# Altium PCB foxbms2-master.PcbDoc (part 7 of 11)
Units mm, origin at the board's own origin, x right, y up, seen from the top; angles counter-clockwise.
Board outline 200.02 x 144.34 mm, 8 copper layers (Top, Int1 (Sig), Int2 (Gnd), Int3 (Sig), Int4 (Sig), Int5 (Pwr), Int6 (Sig), Bottom), stack 1.636 mm thick; 806 components, 624 nets, 2842 pads, 2610 vias.
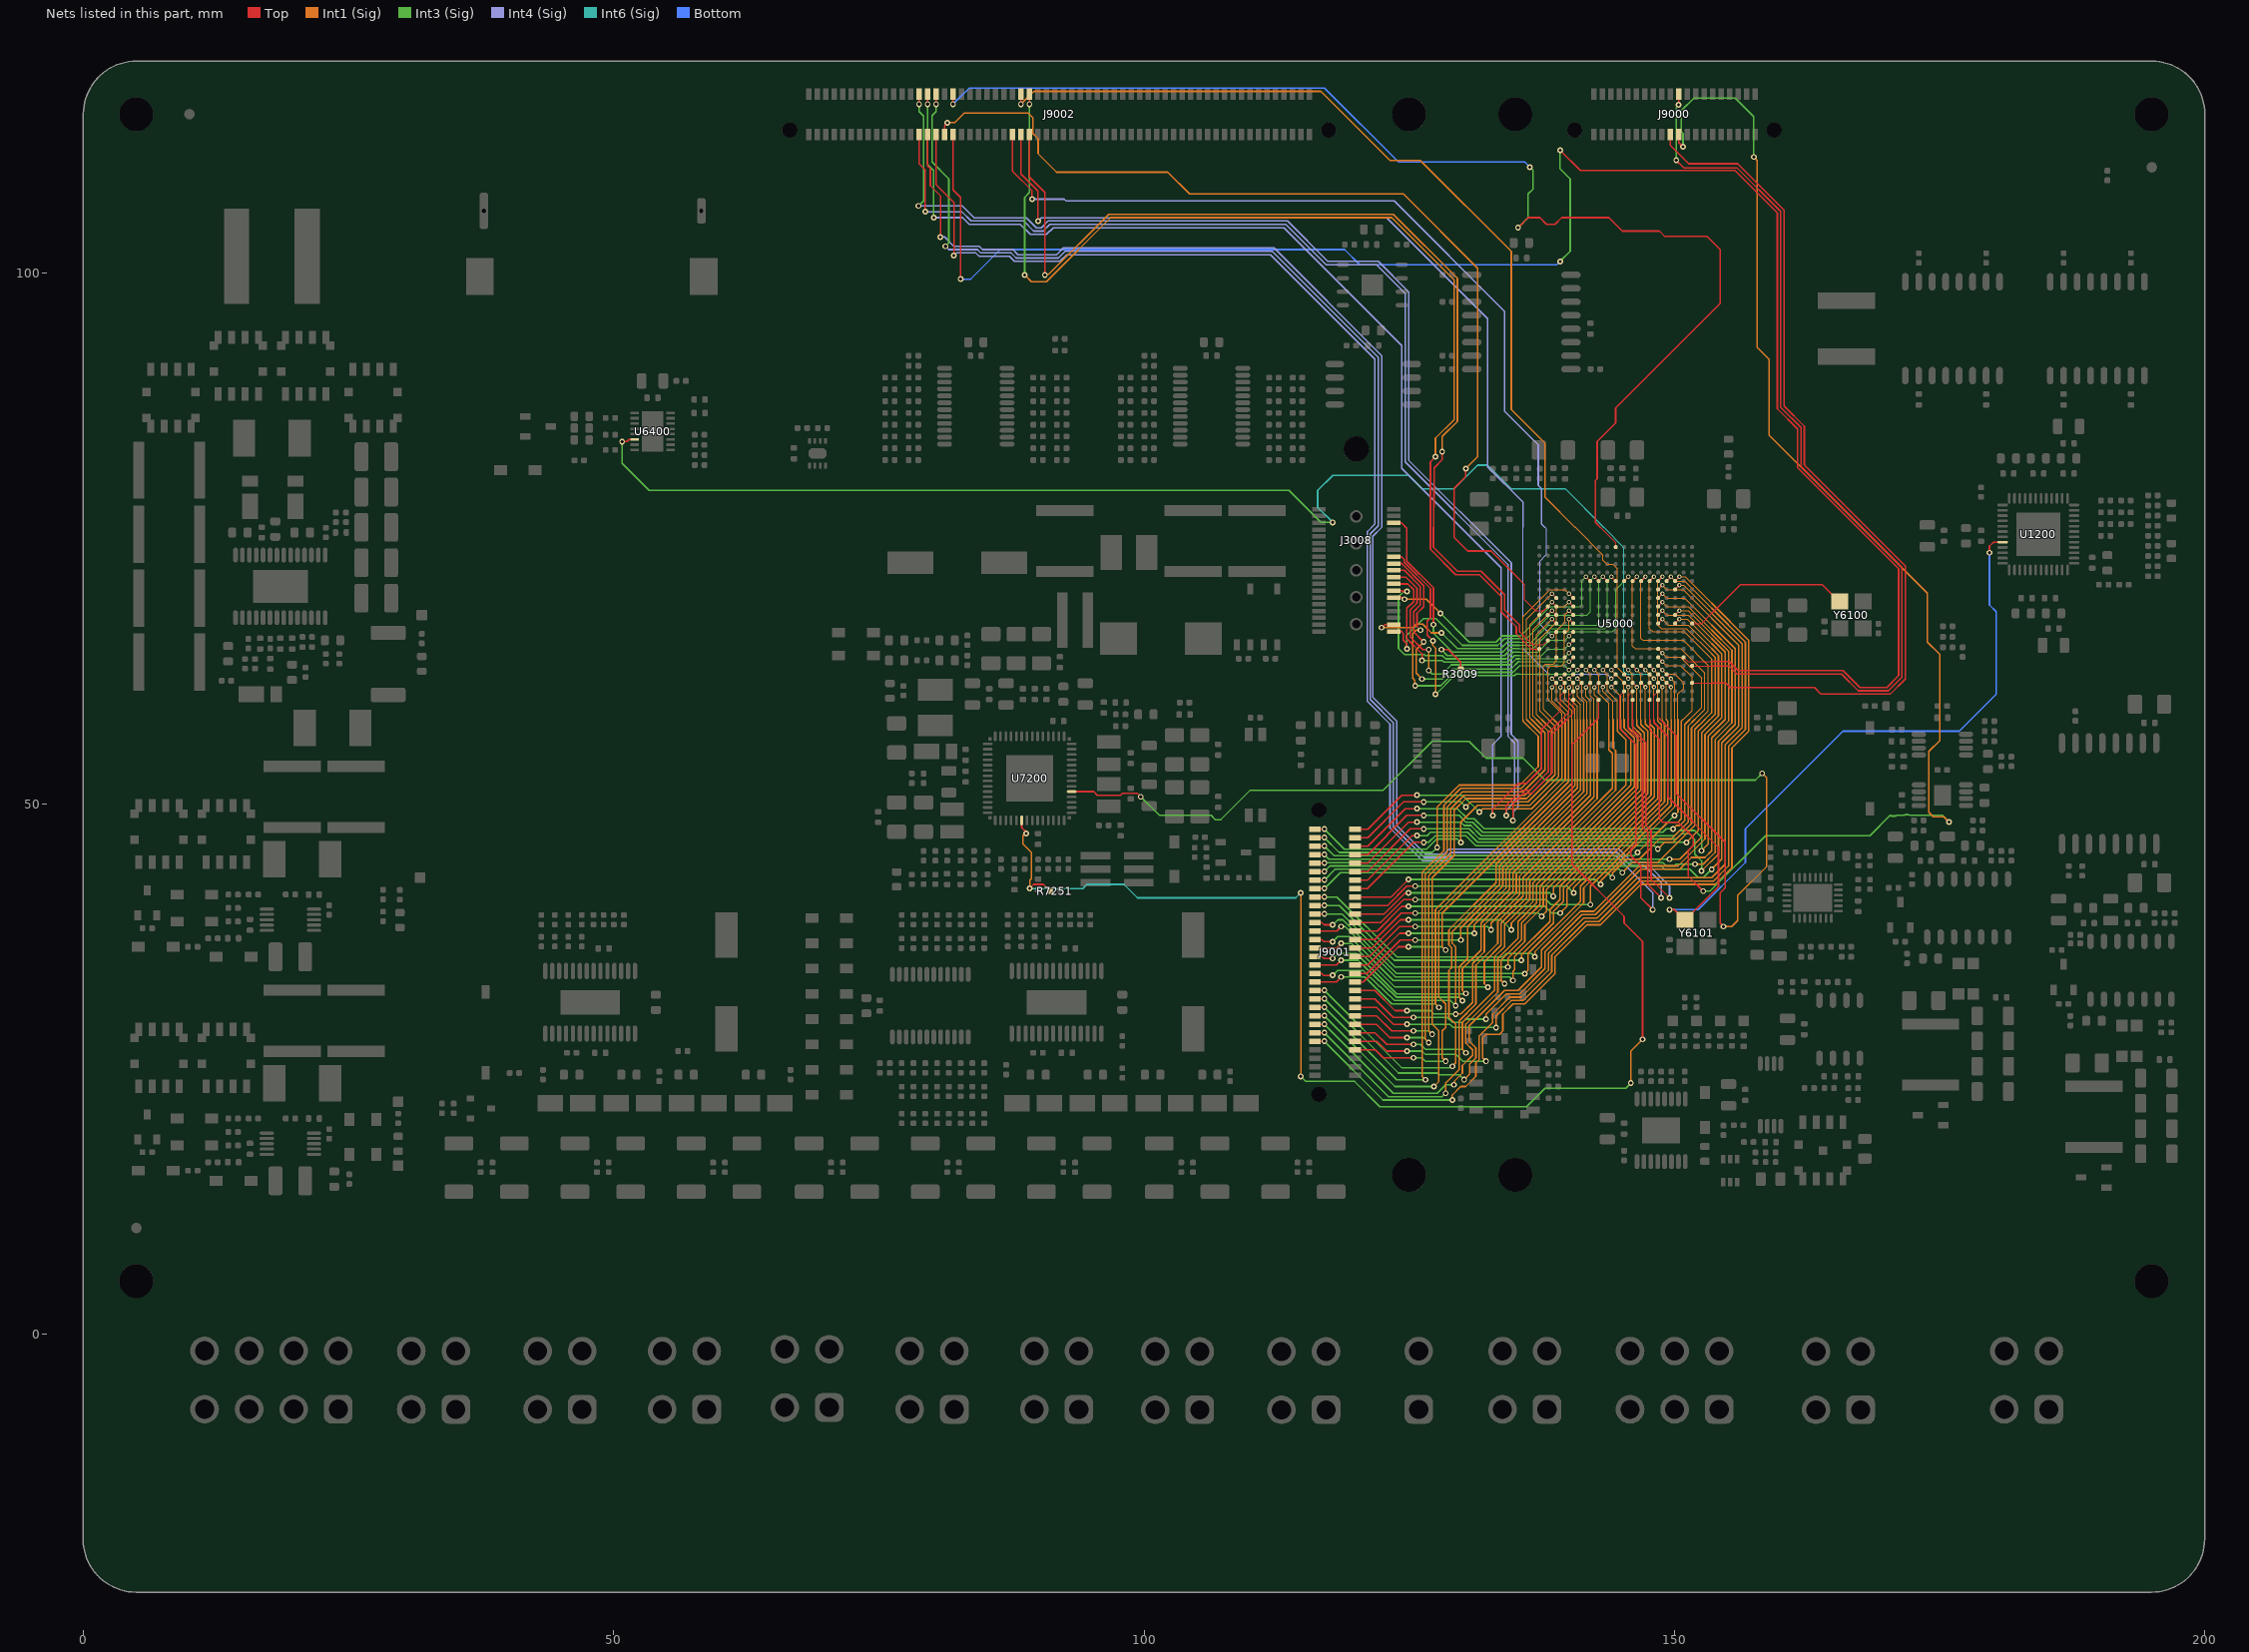
[diagram p13: the nets of this part, all layers, seen from the top]

## Via types
v1: diameter 0.55, hole 0.3, Top to Bottom, 1560 vias
v2: diameter 0.55, hole 0.3, Top to Bottom, tented both sides, 810 vias
v3: diameter 0.45, hole 0.2, Top to Bottom, tented both sides, 169 vias
v4: diameter 0.45, hole 0.2, Top to Bottom, 25 vias
v5: diameter 0.5, hole 0.2, Top to Bottom, 20 vias
v6: diameter 0.75, hole 0.5, Top to Bottom, tented both sides, 17 vias
v7: diameter 0.75, hole 0.5, Top to Bottom, 9 vias

## Nets (pads, with @x,y where several pads share a name; then routed paths per layer and width w, separated by ;. In a path a pad name is that pad's centre, name@x,y a point inside that pad or via, vN(x,y) a via of type N, cw(c..) or ccw(c..) an arc to the next point about the centre after c; other vN are vias at no path point) (continued)
MCU_CAN3.TX_1: J9002.34 U5000.M18 | length 98.3
  Top w0.102: 135.414,71.12 135.89,70.644 135.89,69.215 136.908,68.197 137.667,68.197 U5000.M18@138.063,68.592
  Top w0.152: J9002.34@81.2,113.1 81.2,113.915 81.446,114.161 v1(81.446,114.201) ; v1(130.334,81.597) 130.334,80.845 129.225,79.737 129.225,75.086 130.493,73.819 132.715,73.819 135.414,71.12
  Int1 (Sig) w0.152: v1(81.446,114.201) 82.134,114.201 83.026,115.094 89.101,115.094 89.535,114.66 89.535,113.189 90.011,112.712 90.011,111.284 91.757,109.537 102.235,109.537 104.299,107.474 124.46,107.474 131.445,100.489 131.445,82.709 v1(130.334,81.597)
MCU_CAN4.RX_1: J9002.35 U5000.W10 | length 120.4
  Top w0.102: 143.034,76.041 144.463,74.612 U5000.W10@144.463,74.192
  Top w0.152: v1(82,115.947) J9002.35@82,116.9 ; v1(135.255,104.299) 136.207,105.251 137.319,105.251 137.954,104.616 138.748,104.616 139.382,105.251 143.827,105.251 145.097,103.981 148.59,103.981 149.066,103.505 153.035,103.505 154.305,102.235 154.305,97.155 144.463,87.312 144.463,85.884 142.716,84.138 142.716,80.611 142.558,80.452 142.558,76.517 143.034,76.041
  Int3 (Sig) w0.152: v1(135.255,104.299) 136.207,105.251 136.207,107.474 136.684,107.95 136.684,109.696 v1(136.366,110.014)
  Bottom w0.152: v1(82,115.947) 83.527,117.475 116.999,117.475 123.984,110.49 135.89,110.49 v1(136.366,110.014)
MCU_CAN4.TX_1: J9002.36 U5000.F2 | length 176.8
  Top w0.102: U5000.F2@150.862,63.792 151.262,63.392 153.511,63.392
  Top w0.152: J9002.36@82,113.1 82,107.865 82.709,107.156 v1(82.709,99.458) ; v1(139.224,111.601) 141.129,109.696 143.067,109.696 155.702,109.696 159.702,105.696 159.702,87.231 161.607,85.326 161.607,81.675 171.132,72.15 171.132,62.071 170.021,60.96 167.481,60.96 165.894,62.547 156.02,62.547 155.175,63.392 153.511,63.392
  Int3 (Sig) w0.152: v1(139.224,101.124) 140.176,102.076 140.176,108.902 139.224,109.855 v1(139.224,111.601)
  Bottom w0.152: v1(82.709,99.458) 83.671,99.458 86.448,102.235 118.904,102.235 120.332,100.806 138.906,100.806 v1(139.224,101.124)
MCU_CLK.2.22MHz_1: R7251.1 U5000.A12 U7200.20 | length 126.9
  Top w0.102: 142.716,57.944 142.863,58.09 U5000.A12@142.863,59.792
  Top w0.152: U7200.20@88.467,48.425 88.467,47.74 88.9,47.307 88.9,47.287 v2(88.9,47.198) ; v1(89.223,42.016) 89.594,42.386 90.514,42.386 R7251.1@91.149,41.751 ; 142.716,57.944 140.335,55.562 140.335,44.291 145.256,39.37 145.256,38.735 147.002,36.989 v1(147.002,27.781)
  Int3 (Sig) w0.152: v1(114.776,24.289) 115.252,23.812 119.856,23.812 122.237,21.431 136.049,21.431 137.795,23.177 145.415,23.177 v1(145.891,23.654)
  Int1 (Sig) w0.152: v2(88.9,47.198) 88.845,47.253 88.582,46.99 88.582,46.196 89.376,45.402 89.376,42.943 89.223,42.79 v1(89.223,42.016) ; v1(114.776,24.289) v1(114.776,41.593) ; v1(145.891,23.654) 145.891,26.67 v1(147.002,27.781)
  Int6 (Sig) w0.152: v1(89.223,42.016) 89.248,41.991 94.219,41.991 94.615,42.386 98.108,42.386 99.377,41.116 114.3,41.116 v1(114.776,41.593)
MCU_CLK.20MHz_1: U5000.K1 Y6100.3 | length 16.1
  Top w0.102: U5000.K1@151.663,66.992 152.559,66.992 153.511,67.945
  Top w0.152: 153.511,67.945 156.221,70.655 163.939,70.655 165.537,69.056 Y6100.3@165.587,69.056
MCU_CLK.25MHz_1: U1200.20 U5000.B5 Y6101.3 | length 84.1
  Top w0.102: 148.063,57.944 148.063,60.193 U5000.B5@148.462,60.593
  Top w0.152: 148.063,57.944 148.063,57.666 149.384,56.345 149.384,50.641 154.146,45.879 154.146,42.166 151.032,39.052 Y6101.3@150.982,39.052 150.932,39.052 149.98,40.005 v1(149.542,40.005) ; v2(179.705,73.66) 179.705,74.295 180.066,74.656 U1200.20@180.934,74.656
  Bottom w0.152: v1(149.542,40.005) 152.241,40.005 156.686,44.45 156.686,47.625 165.894,56.832 176.847,56.832 180.34,60.325 180.34,68.104 179.705,68.739 v2(179.705,73.66)
MCU_DCC.1_1: J9002.50 U5000.J17 | length 89.4
  Top w0.102: v3(138.463,65.792) U5000.J17@138.863,66.192
  Top w0.152: J9002.50@87.6,113.1 87.6,109.628 89.442,107.785 v1(89.442,106.998)
  Int4 (Sig) w0.102: 137.795,76.041 137.954,75.882 137.954,73.501 137.319,72.866 137.319,66.936 v3(138.463,65.792)
  Int4 (Sig) w0.152: v1(89.442,106.998) 92.464,106.998 92.642,106.819 123.577,106.819 133.985,96.411 133.985,86.995 137.16,83.82 137.16,80.01 137.477,79.692 137.477,76.359 137.795,76.041
MCU_DCC.2_1: U5000.D6 U6400.6 | length 125.7
  Top w0.102: U5000.D6@147.663,62.192 v3(148.063,61.793)
  Top w0.152: v2(50.8,84.138) 51.263,84.138 51.466,84.34 U6400.6@51.968,84.34
  Int3 (Sig) w0.152: v2(50.8,84.138) 50.8,82.074 53.34,79.534 113.665,79.534 116.681,76.517 v1(117.792,76.517)
  Int6 (Sig) w0.102: 143.351,76.041 145.256,74.136 145.256,62.465 145.506,62.215 147.64,62.215 v3(148.063,61.793)
  Int6 (Sig) w0.152: v1(117.792,76.517) 116.364,77.946 116.364,79.534 117.792,80.962 124.936,80.962 126.206,79.692 129.222,79.692 131.445,81.915 132.398,81.915 134.62,79.692 139.7,79.692 143.351,76.041
MCU_DMM.\ENA_1: U5000.F16
MCU_DMM.CLK_1: U5000.F17
MCU_DMM.DATA0_1: U5000.L19
MCU_DMM.DATA1_1: U5000.L18
MCU_DMM.SYNC_1: U5000.J16
MCU_ECAP.4_1: J9002.53 U5000.G19 | length 104.6
  Top w0.102: 135.414,65.722 136.544,64.592 U5000.G19@137.263,64.592
  Top w0.152: v1(89.2,115.947) J9002.53@89.2,116.9 ; v1(127.476,82.709) 127,82.233 127,73.977 129.381,71.596 131.604,71.596 133.667,69.532 133.667,68.104 135.096,66.675 135.096,66.04 135.414,65.722
  Int3 (Sig) w0.152: v1(88.741,99.854) 88.741,107.156 89.2,107.615 v1(89.2,115.947)
  Int1 (Sig) w0.152: v1(88.741,99.854) 89.376,99.219 90.805,99.219 96.837,105.251 123.349,105.251 129.222,99.377 129.222,86.201 127.476,84.455 v1(127.476,82.709)
MCU_ECAP.5_1: J9002.54 U5000.H18 | length 99.8
  Top w0.102: 135.414,66.199 136.62,64.992 137.663,64.992 U5000.H18@138.063,65.392
  Top w0.152: J9002.54@89.2,113.1 89.2,109.079 90.646,107.632 v1(90.646,99.854) ; v1(128.111,83.185) 128.111,82.433 127.347,81.668 127.286,74.232 127.286,74.168 127.33,74.123 129.54,71.914 131.762,71.914 133.985,69.691 133.985,68.263 135.414,66.834 135.414,66.199
  Int1 (Sig) w0.152: v1(90.646,99.854) 90.691,99.899 91.009,99.899 96.679,105.569 123.508,105.569 129.54,99.536 129.54,86.042 128.111,84.614 v1(128.111,83.185)
MCU_EMIF.\CAS_1: J9001.43 U5000.R4 | length 75.8
  Top w0.102: U5000.R4@149.263,70.992 v3(149.662,71.392)
  Top w0.152: J9001.43@119.9,30.8 121.918,30.8 123.518,29.2 v1(124.777,29.2)
  Int3 (Sig) w0.152: v1(124.777,29.2) 128.831,29.2 129.138,28.892 v1(133.191,28.892)
  Int1 (Sig) w0.102: v3(149.662,71.392) 150.085,70.97 150.963,70.97 153.511,68.421
  Int1 (Sig) w0.152: v1(133.191,28.892) 133.191,30.004 134.62,31.432 135.731,31.432 138.43,34.131 138.43,35.719 141.605,38.894 142.875,38.894 146.685,42.704 153.67,42.704 155.099,44.133 155.099,55.404 156.686,56.991 156.686,65.246 153.511,68.421
MCU_EMIF.\CS0_1: J9001.44 U5000.N17 | length 69.4
  Top w0.102: v3(138.463,69.792) U5000.N17@138.863,69.393
  Top w0.152: J9001.44@116.1,30.8 v1(116.999,30.8)
  Int3 (Sig) w0.152: v1(116.999,30.8) 123.827,23.971 v1(126.524,23.971)
  Int1 (Sig) w0.102: 136.049,57.944 136.049,67.379 v3(138.463,69.792)
  Int1 (Sig) w0.152: v1(126.524,23.971) 126.206,24.289 126.206,43.497 128.27,45.561 128.27,49.847 129.857,51.435 135.572,51.435 137.477,53.34 137.477,56.515 136.049,57.944
MCU_EMIF.\CS2_1: J9001.45 U5000.L17 | length 58
  Top w0.102: v4(138.463,68.192) U5000.L17@138.863,67.792
  Top w0.152: J9001.45@119.9,30 121.924,30 123.349,28.575 v1(125.412,28.575)
  Int3 (Sig) w0.152: v1(125.412,28.575) 126.841,28.575 v1(127.159,28.258)
  Int1 (Sig) w0.102: 137.001,57.944 136.684,58.261 136.684,66.414 v4(138.463,68.192)
  Int1 (Sig) w0.152: v1(127.159,28.258) 126.841,28.575 126.841,43.18 128.905,45.244 128.905,49.53 130.175,50.8 135.89,50.8 138.112,53.023 138.112,56.832 137.001,57.944
MCU_EMIF.\CS3_1: J9001.46 U5000.K17 | length 68.3
  Top w0.102: v4(138.463,67.392) U5000.K17@138.863,66.992
  Top w0.152: J9001.46@116.1,30 v1(116.999,30)
  Int3 (Sig) w0.152: v1(116.999,30) 123.662,23.336 v1(127.317,23.336)
  Int1 (Sig) w0.102: 137.477,57.944 137.001,58.42 137.001,65.931 v4(138.463,67.392)
  Int1 (Sig) w0.152: v1(127.317,23.336) 127.794,23.812 127.794,28.575 127.159,29.21 127.159,43.021 129.222,45.085 129.222,49.371 130.334,50.482 136.049,50.482 138.43,52.864 138.43,56.991 137.477,57.944
MCU_EMIF.\CS4_1: J9001.47 U5000.M17 | length 59.4
  Top w0.102: v4(138.463,68.992) U5000.M17@138.863,68.592
  Top w0.152: J9001.47@119.9,29.2 121.914,29.2 123.174,27.94 v1(124.777,27.94)
  Int3 (Sig) w0.152: v1(124.777,27.94) 126.365,27.94 v1(126.841,27.464)
  Int1 (Sig) w0.102: 136.525,57.944 136.366,58.102 136.366,66.896 v4(138.463,68.992)
  Int1 (Sig) w0.152: v1(126.841,27.464) 126.524,27.781 126.524,43.339 128.588,45.402 128.588,49.689 130.016,51.117 135.731,51.117 137.795,53.181 137.795,56.674 136.525,57.944
MCU_EMIF.\DQM0_1: J9001.48 U5000.E10 | length 64.3
  Top w0.102: v3(144.063,62.593) U5000.E10@144.463,62.993
  Top w0.152: J9001.48@116.1,29.2 v1(116.999,29.2)
  Int3 (Sig) w0.152: v1(116.999,29.2) 123.497,22.701 127.635,22.701 128.429,23.495 v1(129.222,23.495)
  Int1 (Sig) w0.102: v3(144.063,62.593) 145.256,61.399 145.256,57.944
  Int1 (Sig) w0.152: v1(129.222,23.495) 129.267,23.54 129.267,23.857 130.016,24.606 130.016,25.308 130.969,26.26 130.969,26.786 130.334,27.421 130.334,29.21 133.35,32.226 133.35,35.401 135.255,37.306 135.255,38.894 137.001,40.64 137.001,42.386 146.209,51.594 146.209,56.197 145.256,57.15 145.256,57.944
MCU_EMIF.\DQM1_1: J9001.49 U5000.E11 | length 55.3
  Top w0.102: v3(143.263,62.593) U5000.E11@143.663,62.993
  Top w0.152: J9001.49@119.9,28.4 121.778,28.4 122.872,27.305 v1(125.412,27.305)
  Int3 (Sig) w0.152: v1(125.412,27.305) 126.047,27.305 126.524,26.829 130.016,26.829 v1(130.334,26.511)
  Int1 (Sig) w0.102: v3(143.263,62.593) 143.669,62.186 143.669,60.642 144.621,59.69 144.621,57.944
  Int1 (Sig) w0.152: v1(130.334,26.511) 130.016,26.829 130.016,29.369 133.032,32.385 133.032,35.56 133.985,36.512 133.985,38.576 136.366,40.957 136.366,42.704 145.415,51.752 145.415,56.039 144.621,56.832 144.621,57.944
MCU_EMIF.\OE_1: J9001.50 U5000.E12 | length 62.6
  Top w0.102: v4(142.463,62.593) U5000.E12@142.863,62.993
  Top w0.152: J9001.50@116.1,28.4 v1(116.999,28.4)
  Int3 (Sig) w0.152: v1(116.999,28.4) 123.015,22.384 128.111,22.384 v1(128.429,22.701)
  Int1 (Sig) w0.102: v4(142.463,62.593) 142.875,62.18 142.875,60.395 143.827,59.443 143.827,57.944
  Int1 (Sig) w0.152: v1(128.429,22.701) 128.429,23.654 129.699,24.924 129.699,29.527 131.286,31.115 131.286,34.766 133.35,36.83 133.35,38.894 135.731,41.275 135.731,43.021 144.145,51.435 144.145,54.753 143.827,55.07 143.827,57.944
MCU_EMIF.\RAS_1: J9001.51 U5000.R3 | length 79.1
  Top w0.102: U5000.R3@150.063,70.992 v3(150.463,71.392)
  Top w0.152: J9001.51@119.9,27.6 121.943,27.6 122.872,26.67 v1(124.777,26.67)
  Int3 (Sig) w0.152: v1(124.777,26.67) 126.206,26.67 126.524,26.352 129.429,26.352 130.064,25.717 v1(132.239,25.717)
  Int1 (Sig) w0.102: v3(150.463,71.392) 151.016,71.392 153.511,68.897
  Int1 (Sig) w0.152: v1(132.239,25.717) 131.921,26.035 131.921,27.94 132.239,28.258 133.509,28.258 133.826,28.575 133.826,30.162 134.779,31.115 135.89,31.115 138.748,33.972 138.748,35.56 141.764,38.576 143.034,38.576 146.844,42.386 153.829,42.386 155.416,43.974 155.416,55.245 157.004,56.832 157.004,65.405 153.511,68.897
MCU_EMIF.\WAIT_1: J9001.52 U5000.P3 | length 84.1
  Top w0.102: U5000.P3@150.063,70.192 v3(150.463,70.592)
  Top w0.152: J9001.52@116.1,27.6 v1(116.999,27.6)
  Int3 (Sig) w0.152: v1(116.999,27.6) 122.532,22.066 v1(129.064,22.066)
  Int1 (Sig) w0.102: v3(150.463,70.592) 150.864,70.592 153.511,67.945
  Int1 (Sig) w0.152: v1(129.064,22.066) 129.064,22.543 129.857,23.336 130.334,23.336 131.286,24.289 131.286,25.559 131.604,25.876 131.604,28.099 132.874,29.369 132.874,30.162 134.461,31.75 135.572,31.75 138.112,34.29 138.112,35.877 141.446,39.211 142.716,39.211 146.526,43.021 153.511,43.021 154.781,44.291 154.781,55.562 156.369,57.15 156.369,65.087 153.511,67.945
MCU_EMIF.\WE_1: J9001.53 U5000.D17 | length 51.9
  Top w0.102: v3(138.463,61.793) U5000.D17@138.863,62.192
  Top w0.152: J9001.53@119.9,26.8 121.799,26.8 122.564,26.035 v1(125.412,26.035)
  Int3 (Sig) w0.152: v1(125.412,26.035) 126.206,26.035 126.524,25.717 v1(128.429,25.717)
  Int1 (Sig) w0.102: v3(138.463,61.793) 138.885,61.37 138.885,59.711 140.017,58.579 140.017,57.944
  Int1 (Sig) w0.152: v1(128.429,25.717) 128.111,26.035 128.111,28.575 128.429,28.892 128.429,31.115 127.794,31.75 127.794,39.846 140.017,52.07 140.017,57.944
MCU_EMIF.ADDR0: J9001.17 U5000.D4 | length 47
  Top w0.102: U5000.D4@149.263,62.192 v3(149.662,61.793)
  Top w0.152: J9001.17@119.9,41.2 123.274,41.2 v1(124.936,42.862)
  Int3 (Sig) w0.152: v1(124.936,42.862) 142.558,42.862 v1(143.034,42.386)
  Int1 (Sig) w0.102: v3(149.662,61.793) 150.04,61.415 150.04,57.944
  Int1 (Sig) w0.152: v1(143.034,42.386) 143.034,42.704 150.019,49.689 150.019,57.814 150.04,57.835 150.04,57.944
MCU_EMIF.ADDR1: J9001.18 U5000.D5 | length 55.6
  Top w0.102: U5000.D5@148.462,62.192 v3(148.862,61.793)
  Top w0.152: J9001.18@116.1,41.2 v1(116.999,41.2)
  Int3 (Sig) w0.152: v1(116.999,41.2) 118.185,41.2 123.825,35.56 133.826,35.56 134.144,35.877 136.525,35.877 v1(136.843,35.56)
  Int1 (Sig) w0.102: v3(148.862,61.793) 149.24,61.415 149.24,57.944
  Int1 (Sig) w0.152: v1(136.843,35.56) 136.843,36.036 141.446,40.64 141.446,42.069 149.384,50.006 149.384,57.785 149.24,57.929 149.24,57.944
MCU_EMIF.ADDR2: J9001.19 U5000.E6 | length 46.9
  Top w0.102: U5000.E6@147.663,62.993 v3(148.063,62.593)
  Top w0.152: J9001.19@119.9,40.4 122.95,40.4 124.777,42.227 v1(125.565,42.227)
  Int3 (Sig) w0.152: v1(125.565,42.227) 139.859,42.227 v1(140.494,41.593)
  Int1 (Sig) w0.102: v3(148.063,62.593) 148.44,62.215 148.44,61.286 148.431,61.277 148.431,61.157 148.44,61.149 148.44,57.944
  Int1 (Sig) w0.152: v1(140.494,41.593) 140.494,42.069 148.749,50.324 148.749,57.468 148.44,57.776 148.44,57.944
MCU_EMIF.ADDR3: J9001.20 U5000.E7 | length 55.1
  Top w0.102: U5000.E7@146.863,62.993 v3(147.262,62.593)
  Top w0.152: J9001.20@116.1,40.4 v1(116.999,40.4)
  Int3 (Sig) w0.152: v1(116.999,40.4) 118.421,40.4 123.579,35.242 v1(135.572,35.242)
  Int1 (Sig) w0.102: v3(147.262,62.593) 147.64,62.215 147.64,61.597 147.637,61.595 147.637,61.151 147.685,61.104 147.685,57.944
  Int1 (Sig) w0.152: v1(135.572,35.242) 135.572,35.719 138.589,38.735 138.589,39.846 139.541,40.799 139.541,42.069 148.114,50.641 148.114,57.099 147.685,57.527 147.685,57.944
MCU_EMIF.ADDR4: J9001.21 U5000.E8 | length 45.6
  Top w0.102: U5000.E8@146.063,62.993 v3(146.463,62.593)
  Top w0.152: J9001.21@119.9,39.6 122.626,39.6 124.574,41.548 124.891,41.548 v1(124.936,41.593)
  Int3 (Sig) w0.152: v1(124.936,41.593) 138.271,41.593 v1(138.589,41.275)
  Int1 (Sig) w0.102: v3(146.463,62.593) 146.844,62.211 146.844,57.944
  Int1 (Sig) w0.152: v1(138.589,41.275) 138.589,42.069 147.479,50.959 147.479,56.832 146.844,57.468 146.844,57.944
MCU_EMIF.ADDR5: J9001.22 U5000.E9 | length 54.5
  Top w0.102: U5000.E9@145.263,62.993 v3(145.663,62.593)
  Top w0.152: J9001.22@116.1,39.6 v1(116.999,39.6)
  Int3 (Sig) w0.152: v1(116.999,39.6) 118.674,39.6 123.666,34.608 v1(134.302,34.608)
  Int1 (Sig) w0.102: v3(145.663,62.593) 146.05,62.205 146.05,57.944
  Int1 (Sig) w0.152: v1(134.302,34.608) 134.302,35.401 135.89,36.989 135.89,38.576 137.636,40.322 137.636,42.069 146.844,51.276 146.844,56.515 146.05,57.309 146.05,57.944
MCU_EMIF.ADDR6: J9001.23 U5000.C4 | length 47.5
  Top w0.102: U5000.C4@149.263,61.392 v3(149.662,60.992)
  Top w0.152: J9001.23@119.9,38.8 122.302,38.8 124.46,40.957 v1(125.571,40.957)
  Int3 (Sig) w0.152: v1(125.571,40.957) 137.883,40.957 138.359,40.481 v1(142.081,40.481)
  Int1 (Sig) w0.102: v3(149.662,60.992) 149.701,60.954 149.701,57.944
  Int1 (Sig) w0.152: v1(142.081,40.481) 142.081,42.227 149.701,49.847 149.701,57.944
MCU_EMIF.ADDR7: J9001.24 U5000.C5 | length 55.3
  Top w0.102: U5000.C5@148.462,61.392 v3(148.862,60.992)
  Top w0.152: J9001.24@116.1,38.8 116.752,38.8 116.975,38.576 v1(117.792,38.576)
  Int3 (Sig) w0.152: v1(117.792,38.576) 118.269,39.052 118.745,39.052 123.825,33.972 v1(135.89,33.972)
  Int1 (Sig) w0.102: 148.862,57.944 v3(148.862,60.992)
  Int1 (Sig) w0.152: v1(135.89,33.972) 136.207,34.29 136.207,35.877 141.129,40.799 141.129,42.227 149.066,50.165 149.066,57.626 148.862,57.83 148.862,57.944
MCU_EMIF.ADDR8: J9001.25 U5000.C6 | length 46.4
  Top w0.102: U5000.C6@147.663,61.392 v3(148.063,60.992)
  Top w0.152: J9001.25@119.9,38 121.979,38 124.301,40.322 v1(124.936,40.322)
  Int3 (Sig) w0.152: v1(124.936,40.322) 137.795,40.322 138.43,39.688 v1(139.224,39.688)
  Int1 (Sig) w0.102: 148.063,57.944 v3(148.063,60.992)
  Int1 (Sig) w0.152: v1(139.224,39.688) 139.859,40.322 139.859,41.91 148.431,50.482 148.431,57.309 148.063,57.677 148.063,57.944
MCU_EMIF.ADDR9: J9001.26 U5000.C7 | length 54.8
  Top w0.102: U5000.C7@146.863,61.392 v3(147.262,60.992)
  Top w0.152: J9001.26@116.1,38 118.169,38 v1(118.586,38.417)
  Int3 (Sig) w0.152: v1(118.586,38.417) 118.95,38.417 123.712,33.655 134.461,33.655 v1(134.779,33.337)
  Int1 (Sig) w0.102: 147.262,57.944 v3(147.262,60.992)
  Int1 (Sig) w0.152: v1(134.779,33.337) 134.779,34.185 134.938,34.344 134.938,35.56 138.271,38.894 138.271,40.005 139.224,40.957 139.224,42.227 147.796,50.8 147.796,56.991 147.262,57.525 147.262,57.944
MCU_EMIF.ADDR10: J9001.27 U5000.C8 | length 45.2
  Top w0.102: U5000.C8@146.063,61.392 v3(146.463,60.992)
  Top w0.152: J9001.27@119.9,37.2 121.749,37.2 124.236,39.688 v1(125.565,39.688)
  Int3 (Sig) w0.152: v1(125.565,39.688) 137.16,39.688 v1(137.477,39.37)
  Int1 (Sig) w0.102: 146.463,57.944 v3(146.463,60.992)
  Int1 (Sig) w0.152: v1(137.477,39.37) 137.954,39.846 137.954,41.91 147.161,51.117 147.161,56.674 146.463,57.372 146.463,57.944
MCU_EMIF.ADDR11: J9001.28 U5000.C9 | length 54.4
  Top w0.102: U5000.C9@145.263,61.392 v3(145.663,60.992)
  Top w0.152: J9001.28@116.1,37.2 116.752,37.2 116.963,36.989 v1(117.792,36.989)
  Int3 (Sig) w0.152: v1(117.792,36.989) 118.269,37.465 119.38,37.465 123.507,33.337 133.667,33.337 v1(133.985,33.02)
  Int1 (Sig) w0.102: 145.663,57.944 v3(145.663,60.992)
  Int1 (Sig) w0.152: v1(133.985,33.02) 133.667,33.337 133.667,35.242 135.572,37.148 135.572,38.735 137.319,40.481 137.319,42.227 146.526,51.435 146.526,56.356 145.663,57.22 145.663,57.944
MCU_EMIF.ADDR12: J9001.29 U5000.C10 | length 45.1
  Top w0.102: v3(144.063,60.992) U5000.C10@144.463,61.392
  Top w0.152: J9001.29@119.9,36.4 121.49,36.4 124.142,39.052 v1(124.936,39.052)
  Int3 (Sig) w0.152: v1(124.936,39.052) 133.667,39.052 v1(134.62,38.1)
  Int1 (Sig) w0.102: v3(144.063,60.992) 144.939,60.116 144.939,57.944
  Int1 (Sig) w0.152: v1(134.62,38.1) 134.62,38.735 136.684,40.799 136.684,42.545 145.891,51.752 145.891,56.039 144.939,56.991 144.939,57.944
MCU_EMIF.ADDR13: J9001.30 U5000.C11 | length 52.8
  Top w0.102: v4(143.263,60.992) U5000.C11@143.663,61.392
  Top w0.152: J9001.30@116.1,36.4 118.156,36.4 v1(118.586,36.83)
  Int3 (Sig) w0.152: v1(118.586,36.83) 119.539,36.83 123.666,32.703 v1(132.398,32.703)
  Int1 (Sig) w0.102: v4(143.263,60.992) 143.263,60.572 144.219,59.616 144.219,57.944
  Int1 (Sig) w0.152: v1(132.398,32.703) 132.08,33.02 132.08,35.084 133.667,36.671 133.667,38.735 136.049,41.116 136.049,42.862 144.463,51.276 144.463,55.008 144.219,55.251 144.219,57.944